# Altium PCB Velotour_2022_V1.0.PcbDoc (part 1 of 3) (continued)
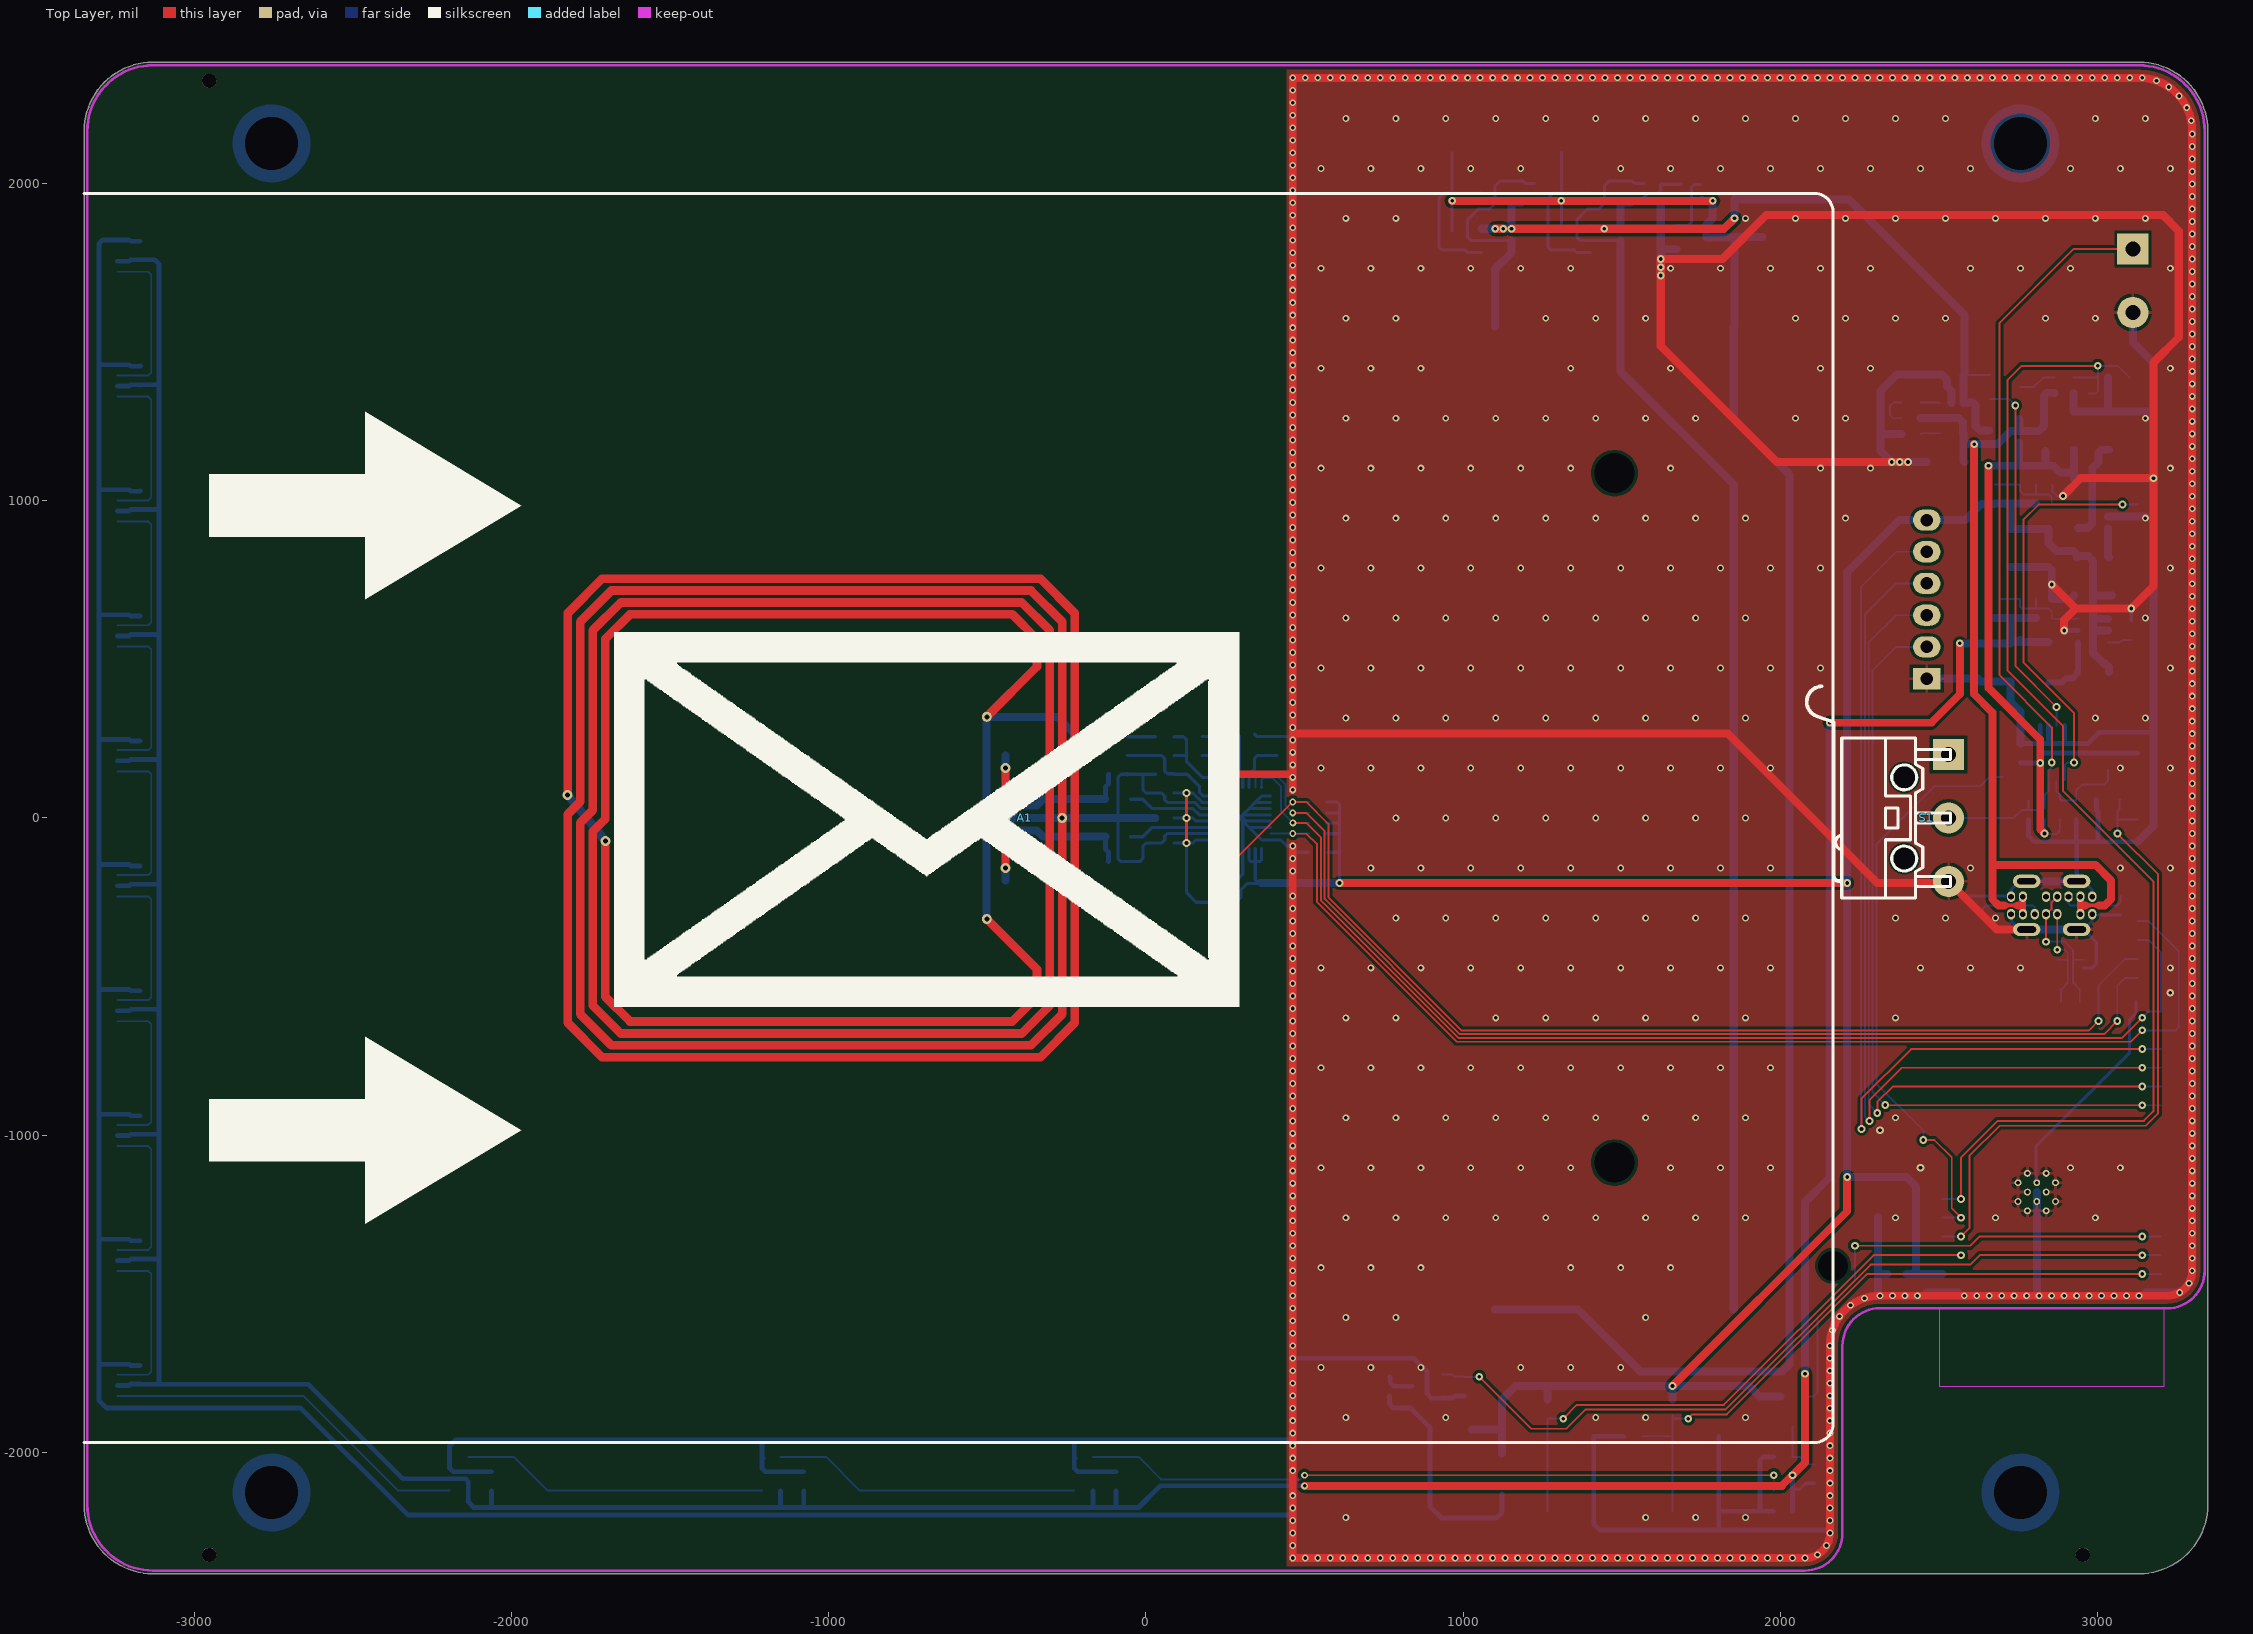
[diagram p0: Top Layer view]
## Components (designator, comment, footprint, x,y, rotation, side; value= is the part's Value field where it differs from the comment) (continued)
R14 "330k" "SMD Widerstand 0603" 964.88,1819.68 r270 bottom
R15 "330k" "SMD Widerstand 0603" 1309.06,1819.68 r270 bottom
R16 "10k" "SMD Widerstand 0603" 3031.73,-4.65 r0 bottom
R17 "330k" "SMD Widerstand 0603" 3001.97,1338.58 r180 bottom
R18 "100k" "SMD Widerstand 0603" 2893.7,1338.58 r180 bottom
R19 "10k" "SMD Widerstand Array 4-Fach 0603" 541.61,0.28 r90 bottom
R20 "5.1k" "SMD Widerstand 0603" 59.06,255.91 r180 bottom
R21 "10k" "SMD Widerstand 0603" 1659.45,-1863.35 r90 bottom
R22 "10k" "SMD Widerstand 0603" 1265.75,-1863.35 r90 bottom
R23 "820" "SMD Widerstand 0603" 59.06,196.85 r180 bottom
R24 "5.1k" "SMD Widerstand 0603" 2637.8,-275.59 r90 bottom
R25 "5.1k" "SMD Widerstand 0603" 3070.87,-275.59 r270 bottom
R26 "100" "SMD Widerstand 0603" 767.72,-1791.34 r90 bottom
R27 "10k" "SMD Widerstand 0603" 2106.3,-2066.93 r270 bottom
R28 "10k" "SMD Widerstand 0603" 1003.94,-1791.34 r90 bottom
S1 "SS075Q102F035V2A" "THT Micro Switch (SS075Q102F035V2A)" 2389.76,0 r90 top locked
S2 "SMD-Button" "SMD Button 5.2x5.2" 1732.28,-2066.93 r270 bottom
S3 "SMD-Button" "SMD Button 5.2x5.2" 1338.58,-2066.93 r270 bottom
TP1 "X-TP" "SMD Testpunkt Ø1mm" 2675,990 r0 bottom
TP2 "X-TP" "SMD Testpunkt Ø1mm" 2675,630 r0 bottom
TP3 "X-TP" "SMD Testpunkt Ø1mm" 3125,990 r0 bottom
TP4 "X-TP" "SMD Testpunkt Ø1mm" 2674.98,1050.47 r90 bottom
TP5 "X-TP" "SMD Testpunkt Ø1mm" 2675,690 r0 bottom
TP6 "X-TP" "SMD Testpunkt Ø1mm" 3125,-75 r180 bottom
TP7 "X-TP" "SMD Testpunkt Ø1mm" 1943.46,1948.82 r90 bottom
TP8 "X-TP" "SMD Testpunkt Ø1mm" 2629.89,100.24 r90 bottom
TP9 "X-TP" "SMD Testpunkt Ø1mm" 964.57,2096.46 r270 bottom
TP10 "X-TP" "SMD Testpunkt Ø1mm" 1309.06,2096.46 r270 bottom
TP11 "X-TP" "SMD Testpunkt Ø1mm" 3125,205 r180 bottom
TP12 "X-TP" "SMD Testpunkt Ø1mm" 3125,-5 r90 bottom
TP13 "X-TP" "SMD Testpunkt Ø1mm" 3100.39,1387.8 r0 bottom
TP14 "X-TP" "SMD Testpunkt Ø1mm" 1943.46,1830.71 r90 bottom
TP15 "X-TP" "SMD Testpunkt Ø1mm" 3125,-445 r270 bottom
TP16 "X-TP" "SMD Testpunkt Ø1mm" 3125,-505 r270 bottom
TP17 "X-TP" "SMD Testpunkt Ø1mm" 3125,-385 r270 bottom
TP18 "X-TP" "SMD Testpunkt Ø1mm" 3125,-325 r270 bottom
TP19 "X-TP" "SMD Testpunkt Ø1mm" -59.06,196.85 r0 bottom
U1 "TD6811" "SMD IC SOT-23-5" 2984.72,950.47 r0 bottom
U2 "MT3608L" "SMD IC SOT-23-6" 2984.72,590.47 r180 bottom
U3 "TC7W74FU" "SMD IC TSSOP-8" 2856.81,205.35 r180 bottom
U4 "TP4054" "SMD IC SOT-23-5" 2539.37,1259.84 r90 bottom
U5 "RY2200" "SMD IC SOT-23-3" 1718.74,1829.68 r0 bottom
U6 "ESP32-S2-WROOM" "SMD ESP32-S2-WROOM" 2854.33,-1181.1 r90 bottom locked
U7 "MFRC522" "SMD IC QFN-32" 295.28,0 r90 bottom
X1 "X-Klemme (2-Pol)" "THT Schraubklemme 2-Pol (WJ500V-5.08-2P)" 3110.24,1692.91 r270 bottom
X2 "18650 Dual Battery Holder" "SMD Battery-Holder (1048P)" 1476.38,0 r270 bottom locked
X3 "USB 2.0 Type-C" "THT USB-C Socket (KH-TYPE-C-L10-14P)" 2854.33,-275.59 r180 bottom locked
X4 "NP" "THT Pin-Header 1x6 (NP)" 2460.63,688.98 r90 bottom

## Footprints (in the part's own frame and the unit in brackets; to place one, negate y for a bottom-side part, rotate by r counter-clockwise, add the part's x,y. Pads: shape width x height; smd on the part's side, far side on the other; paste and mask are expansions set on the pad)
"SMD Battery-Holder (1048P)" [mm]
  rect 8x7 smd: 1(-39.35,9.55) 2(39.35,9.55) 3(39.35,-9.55) 4(-39.35,-9.55)
  round 0 hole 3.2 unplated: NC(-27.6,0) NC(27.6,0)
  round 0 hole 2.4 unplated: NC(35.85,-17.5)
  silkscreen extent -38.53,-19.89 38.53,19.89, body extent -43,-19.89 43,19.89, height 18.65
"SMD Button 5.2x5.2" [mm]
  rect 1x0.7 smd: 1(-3,1.85) 1(3,1.85) 2(-3,-1.85) 2(3,-1.85)
  silkscreen extent -2.8,-2.6 2.8,2.6, body extent -3.2,-2.55 3.2,2.55, height 1.5
"SMD Buzzer (MLT-8530)" [mm] "SMD_LED_RED"
  rect 2.3x2.3 smd: 1(-3.55,3.55) 2(-3.55,-3.55) NC(3.55,-3.55) NC(3.55,3.55)
  silkscreen extent -5,-4.25 4.25,5, body extent -4.25,-4.25 4.25,4.25, height 3
"SMD Crystal 3.2X2.5X0.8" [mm] "SMD_LED_RED"
  rect 1.4x1.2 smd: 1(1.2,0.95) 2(-1.2,-0.95) 3(-1.2,0.95) 3(1.2,-0.95)
  silkscreen extent -1.6,-1.25 2,1.7, body extent -1.65,-1.3 1.65,1.3, height 0.8
"SMD Diode SOD-123" [mm] "SM LED; 2 Flat Leads"
  rect 1x1.2 smd: A(1.62,0) K(-1.62,0)
  silkscreen extent -1.4,-0.9 1.4,0.87, body extent -1.93,-0.85 1.92,0.85, height 1.42
"SMD ESP32-S2-WROOM" [mm]
  rect 0.9x1.5 smd: 1(-8,-8.75) 2(-6.5,-8.75) 3(-5,-8.75) 4(-3.5,-8.75) 5(-2,-8.75) 6(-0.5,-8.75) 7(1,-8.75) 8(2.5,-8.75) 9(4,-8.75) 10(5.5,-8.75) 11(7,-8.75) 12(8.5,-8.75) 13(10,-8.75) 14(11.5,-8.75) 15(13,-8.75) 16(14.5,-8.75) 27(14.5,8.75) 28(13,8.75) 29(11.5,8.75) 30(10,8.75) 31(8.5,8.75) 32(7,8.75) 33(5.5,8.75) 34(4,8.75) 35(2.5,8.75) 36(1,8.75) 37(-0.5,8.75) 38(-2,8.75) 39(-3.5,8.75) 40(-5,8.75) 41(-6.5,8.75) 42(-8,8.75)
  rect 1.5x0.9 smd: 17(15.25,-6.75) 18(15.25,-5.25) 19(15.25,-3.75) 20(15.25,-2.25) 21(15.25,-0.75) 22(15.25,0.75) 23(15.25,2.25) 24(15.25,3.75) 25(15.25,5.25) 26(15.25,6.75)
  rect 1.1x1.1 smd: 43(-1.45,-2.69) 43(-1.45,-1.19) 43(-1.45,0.31) 43(0.05,-2.69) 43(0.05,-1.19) 43(0.05,0.31) 43(1.55,-2.69) 43(1.55,-1.19) 43(1.55,0.31)
  round 0.55 hole 0.3 mask+0.102: 43(-1.45,-1.94) 43(-1.45,-0.44) 43(-0.7,-2.69) 43(-0.7,-1.19) 43(-0.7,0.31) 43(0.05,-1.94) 43(0.05,-0.44) 43(0.8,-2.69) 43(0.8,-1.19) 43(0.8,0.31) 43(1.55,-1.94) 43(1.55,-0.44)
  Keep-Out Layer region: -9.2,9 -9.2,-9 -15.5,-9 -15.5,9
  Keep-Out Layer region: -9.2,9 -9.2,-9 -15.5,-9 -15.5,9
  Keep-Out Layer region: -9.2,9 -9.2,-9 -15.5,-9 -15.5,9
  silkscreen extent -15.5,-10.28 15.5,9, body extent -15.45,-9 15.55,9, height 3.3
"SMD IC QFN-32" [mm] "QFN, 32-Leads, Body 5x5mm, Pitch 0.5mm, IPC Medium Density"
  oval 0.75x0.25 smd: 1(-2.45,1.75) 2(-2.45,1.25) 3(-2.45,0.75) 4(-2.45,0.25) 5(-2.45,-0.25) 6(-2.45,-0.75) 7(-2.45,-1.25) 8(-2.45,-1.75) 17(2.45,-1.75) 18(2.45,-1.25) 19(2.45,-0.75) 20(2.45,-0.25) 21(2.45,0.25) 22(2.45,0.75) 23(2.45,1.25) 24(2.45,1.75)
  oval 0.25x0.75 smd: 9(-1.75,-2.45) 10(-1.25,-2.45) 11(-0.75,-2.45) 12(-0.25,-2.45) 13(0.25,-2.45) 14(0.75,-2.45) 15(1.25,-2.45) 16(1.75,-2.45) 25(1.75,2.45) 26(1.25,2.45) 27(0.75,2.45) 28(0.25,2.45) 29(-0.25,2.45) 30(-0.75,2.45) 31(-1.25,2.45) 32(-1.75,2.45)
  rect 3.6x3.6 smd: PAD(0,0)
  silkscreen extent -3.12,-2.6 2.6,3.13, body extent -2.51,-2.51 2.51,2.51, height 0.8
"SMD IC SOT-23-3" [mm]
  rect 1x0.7 smd: 1(-1.2,0.95) 2(-1.2,-0.95) 3(1.2,0)
  silkscreen extent -0.8,-1.5 0.8,1.5, body extent -1.3,-1.5 1.2,1.5, height 1.1
"SMD IC SOT-23-5" [mm] "SOT-223/SC-73; 4 Leads; Body 6.7 x 7.3 mm, inc. leads (LxW max)"
  rect 1.2x0.7 smd: 1(1.2,-0.95) 2(1.2,0) 3(1.2,0.95) 4(-1.2,0.95) 5(-1.2,-0.95)
  silkscreen extent -0.8,-1.9 1.2,1.4, body extent -1.3,-1.5 1.2,1.5, height 1.1
"SMD IC SOT-23-6" [mm] "SOT-223/SC-73; 4 Leads; Body 6.7 x 7.3 mm, inc. leads (LxW max)"
  rect 1.2x0.7 smd: 1(1.2,-0.95) 2(1.2,0) 3(1.2,0.95) 4(-1.2,0.95) 5(-1.2,0) 6(-1.2,-0.95)
  silkscreen extent -0.8,-1.9 1.2,1.4, body extent -1.4,-1.45 1.4,1.45, height 1.45
"SMD IC SOT-363 (SC-70-6)" [mm]
  rect 0.8x0.45 smd: 1(1.05,-0.65) 2(1.05,0) 3(1.05,0.65) 4(-1.05,0.65) 5(-1.05,0) 6(-1.05,-0.65)
  silkscreen extent -0.63,-1.4 0.8,1.05, body extent -1.05,-1 1.05,1, height 0.92
"SMD IC TSSOP-8" [mm] "Shrink Small Outline; 16 Leads; Body Width 4.4 mm; Pitch 0.65 mm"
  oval 0.4x1.26 smd: 1(0.975,2.2) 2(0.325,2.2) 3(-0.325,2.2) 4(-0.975,2.2) 5(-0.975,-2.2) 6(-0.325,-2.2) 7(0.325,-2.2) 8(0.975,-2.2)
  silkscreen extent -1.55,-1.55 2.02,2.22, body extent -1.55,-2.5 1.55,2.5, height 1.07
"SMD Inductor 3.2x2.5x1.7" [mm]
  rect 1.25x2 smd: 1(-1.275,0) 2(1.275,0)
  silkscreen extent -1.6,-1.25 1.6,1.25, body extent -1.6,-1.25 1.6,1.25, height 1.55
"SMD Inductor 0805" [mil]
  rect 35x65 smd: 1(-40,0) 2(40,0)
  silkscreen extent -40,-30 40,30, body extent -39,-24 39,24, height 37
"SMD Keramikkondensator 0603" [mil]
  rect 25x35 smd: 1(-30,0) 2(30,0)
  silkscreen extent -30,-15 30,15, body extent -31,-16 31,16, height 32
"SMD Keramikkondensator 1206" [mil]
  rect 45x70 smd: 1(-60,0) 2(60,0)
  silkscreen extent -60,-30 60,30, body extent -63,-31 63,31, height 39
"SMD LED 0603" [mm] "SMD_LED_RED"
  rect 0.8x0.8 smd: A(-0.75,0) K(0.75,0)
  silkscreen extent -0.8,-0.4 0.8,0.4, body extent -0.81,-0.37 0.84,0.36, height 0.68
"SMD LED WS2812B-3528" [mm] "SMD_LED_RED"
  rect 0.9x0.75 smd: 1(1.35,-0.75) 2(1.35,0.75) 3(-1.35,0.75) 4(-1.35,-0.75)
  silkscreen extent -1.75,-1.5 1.8,1.4, body extent -1.75,-1.4 1.75,1.4, height 1.9
"SMD LED WS2812B-4020" [mm] "SMD_LED_RED"
  rect 0.42x1.3 smd: 1(1.275,-0.65) 2(0.425,-0.65) 3(-0.425,-0.65) 4(-1.275,-0.65)
  silkscreen extent -2,-1.13 2.37,0.87, body extent -2,-0.87 2,0.87, height 2
"SMD LOOP-ANTENNA 13.56MHZ" [mm]
  round 0.8 hole 0.4 mask+0.1: 1(8.095,13.255) 2(-8.095,13.255)
  round 0.8 hole 0.4 mask+0.102: 3(0,19.293)
  Top Layer lines w0.7: -1.85,-20.3 -16.4,-20.3 -19.15,-17.55 -19.15,17.55 -16.4,20.3 16.4,20.3 19.15,17.55 19.15,-17.55 16.4,-20.3 -0.297,-20.3 -1.304,-19.293 -15.707,-19.293 -18.2,-16.8 -18.2,16.8 -15.707,19.293 0,19.293 15.707,19.293 18.2,16.8 18.2,-16.8 15.707,-19.293 0.396,-19.293 -0.611,-18.286 -15.014,-18.286 -17.25,-16.05 -17.25,16.05 -15.014,18.286 15.014,18.286 17.25,16.05 17.25,-16.05 15.014,-18.286 1.089,-18.286 0.082,-17.279 -14.321,-17.279 -16.3,-15.3 -16.3,15.3 -14.321,17.279 -12.119,17.279 -8.095,13.255 ; 1.85,-17.279 14.321,-17.279 16.3,-15.3 16.3,15.3 14.321,17.279 12.119,17.279 8.095,13.255
  Bottom Layer lines w0.7: -1.85,-20.3 1.85,-17.279
"SMD MOSFET SOT-23" [mm]
  rect 1x0.7 smd: D(1.2,0) G(-1.2,0.95) S(-1.2,-0.95)
  silkscreen extent -0.8,-1.5 0.8,1.5, body extent -1.3,-1.5 1.2,1.5, height 1.1
"SMD SOLDER-NUT (M3 3MM)" [mm]
  round 0 hole 4.22: 1(0,0)
  Top Layer circle w1.02: c0,0 r2.61
  body extent -2.61,-2.61 2.61,2.61, height 3
"SMD Tantalkondensator 1210 +" [mil]
  rect 45x110 smd: M(60,0) P(-60,0)
  silkscreen extent -99,-50 60,72, body extent -73,-58 73,58, height 80
"SMD Testpunkt Ø1mm" [mm]
  round 1 smd: 1(0,0)
"SMD Widerstand 0603" [mil]
  rect 25x35 smd: 1(-30,0) 2(30,0)
  silkscreen extent -30,-15 30,15, body extent -31,-16 31,16, height 18
"SMD Widerstand Array 4-Fach 0603" [mm]
  rect 0.65x0.8 smd: 1(-1.275,-0.7) 4(1.275,-0.7) 5(1.275,0.7) 8(-1.275,0.7)
  rect 0.5x0.8 smd: 2(-0.4,-0.7) 3(0.4,-0.7) 6(0.4,0.7) 7(-0.4,0.7)
  silkscreen extent -1.6,-0.8 1.6,0.8, body extent -1.6,-0.8 1.6,0.8, height 0.51
"THT Micro Switch (SS075Q102F035V2A)" [mm]
  rect 2.5x2.5 hole 1.2: 1(5.08,-3.55)
  round 2.5 hole 1.2: 2(-5.08,-3.55) 3(0,-3.55)
  round 0 hole 2 unplated: NC(-3.25,0) NC(3.25,0)
  silkscreen extent -6.4,-3.7 10.53,7.81, body extent -6.4,-3.75 10.7,7.97, height 5.8
"THT Pin-Header 1x6 (NP)" [mm] "Capacitor, Electrolytic, Radial; Body 5 x 5 mm (Dia.xH typ); Pin Spacing 2 mm (typ)"
  rect 1.7x2.2 hole 1: 1(-6.35,0)
  oval 1.7x2.2 hole 1: 2(-3.81,0) 3(-1.27,0) 4(1.27,0) 5(3.81,0) 6(6.35,0)
  silkscreen extent -7.62,-1.27 7.62,1.27
"THT Schraubklemme 2-Pol (WJ500V-5.08-2P)" [mm]
  rect 2.5x2.5 hole 1.2: 1(-2.54,0)
  round 2.5 hole 1.2: 2(2.54,0)
  silkscreen extent -5.05,-5 5.7,5.3, body extent -5.08,-5 5.68,5.3, height 14.24
"THT USB-C Socket (KH-TYPE-C-L10-14P)" [mm]
  oval 0.65x0.85 hole 0.45: A1(-3.25,0.7) A4(-2.3,0.7) A5(-1.35,0.7) A6(-0.45,0.7) A7(0.45,0.7) A9(2.3,0.7) A12(3.25,0.7) B1(3.25,-0.7) B4(2.3,-0.7) B5(1.35,-0.7) B6(0.45,-0.7) B7(-0.45,-0.7) B9(-2.3,-0.7) B12(-3.25,-0.7)
  oval 2.2x1.05 hole 0.5 slot 1.5 at 0 deg: G1(-2,1.93) G2(2,1.93) G3(-2,-1.93) G4(2,-1.93)
  silkscreen extent -4.5,-2.1 4.5,2.1, body extent -4.47,-2.08 4.47,2.08, height 10

## Part data
A1: library part A-Loop-Antenna, "PCB Loop-Antenna", Component Description="PCB Loop-Antenna", Component Value=13.56MHz, Unit Price=0.00
C1 C2: library part C-CAPACITOR, "CAP-MK", Component Value="27pF 50V", JLC-Parts=C1656, Component Description="Multilayer Ceramic Capacitors", Digikey=399-C0603C270J5GAC7867CT-ND, Farnell=1414627, Mouser=80-C0603C270J5G, Unit Price=0.01
C3 C5 C8: library part C-CAPACITOR, "CAP-MK", Component Value="10µF 50V", JLC-Parts=C13585, Component Description="Multilayer Ceramic Capacitors", Digikey=445-7886-1-ND, Farnell=2211092, Mouser=810-CGA5L3X5R1H106K, Unit Price=0.27
C4 C6 C18 C19: library part C-ELCAP, "CAP-Elko", Component Value="100µF 6.3V", JLC-Parts=C16133, Component Description="Tantalum Capacitor", Digikey=478-1677-1-ND, Farnell=1135048, Mouser=581-TAJB107K006R, Unit Price=0.08
C7 C14 C16 C21 C32 C33 C34 C37 C38 C39 C40 C41 C42 C43 C44 C45 C46 C47 C48 C49 C50 C51 C52 C53: library part "E6 - 100nF", "SMD Ceramic Capacitor E6", Component Value="100nF 50V", JLC-Parts=C14663, Component Description="Multilayer Ceramic Capacitors MLCC", ComponentLink1Description=Datasheet, ComponentLink1URL=https://datasheet.lcsc.com/lcsc/1809301912_YAGEO-CC0603KRX7R9BB104_C14663.pdf, Digikey=445-6899-1-ND, Farnell=2210822, Mouser=810-CGA2B3X7R1H104K, Unit Price=0.01
C9 C10 C12 C17 C20 C23: library part "E6 - 10uF", "SMD Ceramic Capacitor E6", Component Value="10µF 10V", JLC-Parts=C19702, Component Description="Multilayer Ceramic Capacitors MLCC", ComponentLink1Description=Datasheet, ComponentLink1URL=https://datasheet.lcsc.com/lcsc/1810191219_Samsung-Electro-Mechanics-CL10A106KP8NNNC_C19702.pdf, Digikey=587-3258-1-ND, Farnell=2113070, Mouser=963-LMK107BBJ106MALT, Unit Price=0.01
C11 C22: library part C-CAPACITOR, "CAP-MK", Component Value="1µF 50V", JLC-Parts=C15849, Component Description="Multilayer Ceramic Capacitors", Digikey=1276-1860-1-ND, Farnell=3013383, Mouser=187-CL10A105KB8NNNC, Unit Price=0.01
C13 C15: library part C-CAPACITOR, "CAP-MK", Component Value="10nF 50V", JLC-Parts=C57112, Component Description="Multilayer Ceramic Capacitors", Digikey=445-5662-1-ND, Farnell=2346966, Mouser=77-VJ0603V103ZXAPBC, Unit Price=0.01
C24 C31 C35 C36: library part C-CAPACITOR, "CAP-MK", Component Value="15pF 50V", JLC-Parts=C1644, Component Description="Multilayer Ceramic Capacitors", Digikey=399-C0603C150J5GAC7867CT-ND, Farnell=1414614, Mouser=80-C0603C150J5G, Unit Price=0.01
C25 C28: library part C-CAPACITOR, "CAP-MK", Component Value="47pF 50V", JLC-Parts=C1671, Component Description="Multilayer Ceramic Capacitors", Digikey=399-C0603C470J5GAC7867CT-ND, Farnell=1414639, Mouser=80-C0603C470J5G, Unit Price=0.01
C26 C29: library part C-CAPACITOR, "CAP-MK", Component Value="180pF 50V", JLC-Parts=C85299, Component Description="Multilayer Ceramic Capacitors", Digikey=399-C0603C181J5GAC7867CT-ND, Farnell=1414621, Mouser=80-C0603C181J5G, Unit Price=0.01
C27 C30: library part C-CAPACITOR, "CAP-MK", Component Value="10pF 50V", JLC-Parts=C1634, Component Description="Multilayer Ceramic Capacitors", Digikey=399-C0603C100J5GAC7867CT-ND, Farnell=1414601, Mouser=80-C0603C100J5G, Unit Price=0.01
D1 D2 D3 D4 D5 D7: library part R-DIODE:SCHKY, "S-DIODE", JLC-Parts=C8598, Component Description="Low Voltage Schottky-Diode", Component Value=B5819W, Digikey=B5819W-TPMSCT-ND, Farnell=2306459, Mouser=833-B5819W-TP, Unit Price=0.03
D6: library part PD4E1U06DCKR, "Unidirectional 3A (8/20us) 15V (Typ) 6.5V 5.5V (Max) SOT-363 ESD Protection Devices ROHS", JLC-Parts=C194628, Component Description="ESD Suppressor", Component Value=PD4E1U06, ComponentLink1Description=Datasheet, ComponentLink1URL=https://datasheet.lcsc.com/lcsc/1810172210_Texas-Instruments-TPD4E1U06DCKR_C194628.pdf, Digikey=296-39347-1-ND, Farnell=3116516, Mouser=595-TPD4E1U06DCKR, Unit Price=0.12
K1 K2 K4: library part K-FET:PIGE, "MOSFET P-Channel", Component Value=LBSS84LT1G, JLC-Parts=C8492, Component Description="MOSFET P-Channel", ComponentLink1Description=Datasheet, ComponentLink1URL=https://datasheet.lcsc.com/lcsc/1811031711_LRC-LBSS84LT1G_C8492.pdf, Digikey=1801-BSS84CT-ND, Farnell=1713836, Mouser=771-BSS84-T/R, Unit Price=0.03
K3 K5 K6: library part K-FET:PIGE, "MOSFET P-Channel", JLC-Parts=C15127, Component Description="MOSFET P-Channel", Component Value=AO3401A, ComponentLink1Description=Datasheet, ComponentLink1URL=https://datasheet.lcsc.com/lcsc/1810171817_Alpha---Omega-Semicon-AO3401A_C15127.pdf, Digikey=785-1001-1-ND, Unit Price=0.14
K7 K8: library part K-FET:NIGE, "MOSFET N-Channel", JLC-Parts=C8545, Component Description="MOSFET N-Channel", Component Value=2N7002, ComponentLink1Description=Datasheet, ComponentLink1URL=https://datasheet.lcsc.com/lcsc/1810151612_Jiangsu-Changjing-Electronics-Technology-Co---Ltd--2N7002_C8545.pdf, Digikey=2N7002NCT-ND, Farnell=1713823, Mouser=512-2N7002, Unit Price=0.02
K9: library part K-FET:NIGE, "MOSFET N-Channel", JLC-Parts=C20917, Component Description="MOSFET N-Channel", Component Value=AO3400A, ComponentLink1Description=Datasheet, ComponentLink1URL=http://www.aosmd.com/pdfs/datasheet/AO3400A.pdf, Digikey=785-1000-1-ND, Unit Price=0.20
L1 L2: library part L-COIL, "Shielded Power Inductor", Component Value="LQH32PN4R7NN0L (4.7µH, 1.0A)", JLC-Parts=C98021, Component Description="Molded Power Inductor", Digikey=490-5338-1-ND, Farnell=2470296, Mouser=81-LQH32PN4R7NN0L, Unit Price=0.12
L3 L4: library part L-COIL, "Multilayer Chip Inductor", JLC-Parts=C1043, Component Description="Multilayer Chip Inductor", Component Value=2.2µH, Digikey=490-16592-1-ND, Farnell=2871431, Mouser=81-DFE201210U-2R2MP2, Unit Price=0.01
M1 M2 M3 M4: library part M-Spacer_M3_3mm, "Solderable Standoff Nut", Component Value="M3 3mm", JLC-Parts=C2915308, Component Description="Solderable Standoff Nut", ComponentLink1Description=Datasheet, ComponentLink1URL=https://datasheet.lcsc.com/lcsc/2112061830_Sinhoo-SMTSO3030CTJ_C2915308.pdf, Mouser=153-SMTSO-M3-3ET, Unit Price=0.05
P1: library part P-LED, "LED (als Lampe E / alt H)", Component Value="Red (5mA, 2.0V)", JLC-Parts=C2286, Component Description="Low Power LED", ComponentLink1Description=Datasheet, ComponentLink1URL=https://datasheet.lcsc.com/szlcsc/Hubei-KENTO-Elec-KT-0603R_C2286.pdf, Digikey=350-2029-1-ND, Farnell=1465988, Mouser=645-598-8010-107F, Unit Price=0.34
P2 P3 P4 P5: library part P-WS2812B-3528, "Smart RGB-LED", Component Value=XL-3528RGBW-WS2812B, JLC-Parts=C2890364, aliExpress=1005003999865721, Component Description="Smart RGB-LED", ComponentLink1Description=Datasheet, ComponentLink1URL=https://datasheet.lcsc.com/lcsc/2108271830_XINGLIGHT-XL-3528RGBW-WS2812B_C2890364.pdf, Unit Price=0.06
P6 P7 P8 P9 P10 P11 P12 P13 P14 P15: library part P-WS2812B-4020, "Smart RGB-LED", Component Value=WS2812B-4020, JLC-Parts=C965557, aliExpress=33031289356, Component Description="Smart RGB-LED", ComponentLink1Description=Datasheet, ComponentLink1URL=https://datasheet.lcsc.com/lcsc/2012110135_Worldsemi-WS2812B-4020_C965557.pdf, Unit Price=0.12
Q1: library part B-QUARZ-CAP, Component Value=27.12Mhz, JLC-Parts=C29975, Component Description=Crystal, ComponentLink1Description=Datasheet, ComponentLink1URL=https://datasheet.lcsc.com/lcsc/2103291134_Yangxing-Tech-X32252712MMB4SI_C29975.pdf, Digikey=50-ECS-271.2-18-33-JGN-TR3CT-ND, Farnell=3649643, Mouser=520-271.2-1833JGNTR3, Unit Price=0.08
Q2: library part Q-Buzzer, "Electromagnetic Buzzer", JLC-Parts=C94599, Component Description="Electromagnetic Buzzer", Component Value=MLT-8530, ComponentLink1Description=Datasheet, ComponentLink1URL=https://datasheet.lcsc.com/lcsc/1811151451_Jiangsu-Huaneng-Elec-MLT-8530_C94599.pdf, Digikey=458-1052-ND, Farnell=1801084, Mouser=539-AST200Q, Unit Price=0.27
R1 R2 R14 R15 R17: library part R-RESISTOR, "RES (E=Heizwiderstand B=Messwandler)", Component Value="330k (75V, 100mW, 1%)", JLC-Parts=C23137, Component Description="Thick Film Chip Resistor", Digikey=P330KHCT-ND, Farnell=2303270, Mouser=667-ERJ-3EKF3303V, Unit Price=0.01
R3 R9 R10 R11 R18: library part R-RESISTOR, "RES (E=Heizwiderstand B=Messwandler)", Component Value="100k (75V, 100mW, 1%)", JLC-Parts=C25803, Component Description="Thick Film Chip Resistor", Digikey=P100KHCT-ND, Farnell=2303232, Mouser=667-ERJ-3EKF1003V, Unit Price=0.01
R4: library part R-RESISTOR, "RES (E=Heizwiderstand B=Messwandler)", Component Value="110k (75V, 100mW, 1%)", JLC-Parts=C25805, Component Description="Dickschicht Chipwiderstand", Digikey=P110KHCT-ND, Farnell=2059495, Mouser=667-ERJ-3EKF1103V, Unit Price=0.01
R5: library part R-RESISTOR, "RES (E=Heizwiderstand B=Messwandler)", Component Value="22k (75V, 100mW, 1%)", JLC-Parts=C31850, Component Description="Thick Film Chip Resistor", Digikey=P22.0KHCT-ND, Farnell=2303201, Mouser=667-ERJ-3EKF2202V, Unit Price=0.01
R6: library part R-RESISTOR, "RES (E=Heizwiderstand B=Messwandler)", Component Value="68k (75V, 100mW, 1%)", JLC-Parts=C23231, Component Description="Dickschicht Chipwiderstand", Digikey=311-68.0KHRTR-ND, Farnell=9238700, Mouser=603-RC0603FR-0768KL, Unit Price=0.06
R7: library part R-RESISTOR, "RES (E=Heizwiderstand B=Messwandler)", Component Value="15k (75V, 100mW, 1%)", JLC-Parts=C22809, Component Description="Dickschicht Chipwiderstand", Digikey=P15.0KHCT-ND, Farnell=2211092, Mouser=667-ERJ-3EKF1502V, Unit Price=0.01
R8 R12: library part R-RESISTOR, "RES (E=Heizwiderstand B=Messwandler)", Component Value="1k (75V, 100mW, 1%)", JLC-Parts=C21190, Component Description="Dickschicht Chipwiderstand", Digikey=P1.00KHCT-ND, Farnell=2303145, Mouser=667-ERJ-3EKF1001V, Unit Price=0.01
R13: library part R-RESISTOR, "RES (E=Heizwiderstand B=Messwandler)", Component Value="1.2k (75V, 100mW, 1%)", JLC-Parts=C22765, Component Description="Dickschicht Chipwiderstand", Digikey=P1.20KHCT-ND, Farnell=2303150, Mouser=667-ERJ-3EKF1201V, Unit Price=0.01
R16 R21 R22 R27 R28: library part R-RESISTOR, "RES (E=Heizwiderstand B=Messwandler)", Component Value="10k (75V, 100mW, 1%)", JLC-Parts=C25804, Component Description="Thick Film Chip Resistor", Digikey=P10.0KHCT-ND, Farnell=2303192, Mouser=667-ERJ-3EKF1002V, Unit Price=0.01
R19: library part "R-Array Single Quad E24 - 10k", "Isolated Resistor Array", Component Value="10k (4x, 50V, 62.5mW, 5%)", JLC-Parts=C29718, Component Description="Isolated Resistor Array", ComponentLink1Description=Datasheet, ComponentLink1URL=https://datasheet.lcsc.com/lcsc/1810191515_UNI-ROYAL-Uniroyal-Elec-4D03WGJ0103T5E_C29718.pdf, Digikey=Y4103CT-ND, Farnell=2060167, Mouser=667-EXB-V8V103JV, Unit Price=0.01
R20 R24 R25: library part R-RESISTOR, "RES (E=Heizwiderstand B=Messwandler)", Component Value="5.1k (75V, 100mW, 1%)", JLC-Parts=C23186, Component Description="Thick Film Chip Resistor", Digikey=P5.10KHCT-ND, Farnell=2059378, Mouser=667-ERJ-3EKF5101V, Unit Price=0.01
R23: library part R-RESISTOR, "SMD-Widerstand 1/4W", Component Value="820 (75V, 100mW, 1%)", JLC-Parts=C23253, Component Description="Dickschicht Chipwiderstand", Digikey=P820HCT-ND, Farnell=2303136, Mouser=667-ERJ-3EKF8200V, Unit Price=0.01
R26: library part R-RESISTOR, "SMD-Widerstand 1/4W", Component Value="100 (75V, 100mW, 1%)", JLC-Parts=C22775, Component Description="Thick Film Chip Resistor", Digikey=P100HCT-ND, Farnell=2303059, Mouser=667-ERJ-3EKF1000X, Unit Price=0.01
S1: library part S-PCM12SMTR, "Micro Detector Switch", Component Value="SS075Q102F035V2A (Right Angled)", aliExpress=32939882024, Component Description="Micro Detector Switch", ComponentLink1Description=Datasheet, Digikey=EG4929-ND, Farnell=2844089, Mouser=612-SS075Q102F035V2A, Unit Price=0.18
S2 S3: library part "Button 3mmx2.5mm", "Button SPST", Component Value=TS-1187A-B-A-B, JLC-Parts=C318884, Component Description="Tactile Switch", ComponentLink1Description=Datasheet, ComponentLink1URL=https://datasheet.lcsc.com/lcsc/2002271431_XKB-Connectivity-TS-1187A-B-A-B_C318884.pdf, Digikey=CKN12221-1-ND, Farnell=3780596, Mouser=611-PTS526SK15SMR2L, Unit Price=0.02
TP1 TP2 TP3 TP4 TP5 TP6 TP7 TP8 TP9 TP10 TP11 TP12 TP13 TP14 TP15 TP16 TP17 TP18 TP19: "Testpunkt", Component Value="Ø 0.8mm", Component Description=Testpunkt, Unit Price=0.00
U1: library part U-TD6811, "1.5MHz 1.2A Synchronous Step-Down Converter", JLC-Parts=C189486, Component Description="1.5MHz 1.2A Synchronous Step-Down Converter", Component Value=TD6811, ComponentLink1Description=Datasheet, ComponentLink1URL=https://datasheet.lcsc.com/lcsc/1811061612_Techcode-Semicon-TD6811_C189486.pdf, Unit Price=0.14
U2: library part U-MT3608L, "1.2MHz 2.5A Current Mode Step-Up Converter", JLC-Parts=C2932326, Component Description="1.2MHz 2.5A Current Mode Step-Up Converter", Component Value=MT3608L, ComponentLink1Description=Datasheet, ComponentLink1URL=https://datasheet.lcsc.com/lcsc/2201121530_XI-AN-Aerosemi-Tech-MT3608L_C2932326.pdf, Unit Price=0.09
U3: library part U-TC7W74FU, "Low-Power D-Flip-Flop with Preset & Clear", JLC-Parts=C128631, Component Description="Low-Power D-Flip-Flop with Preset & Clear", Component Value=TC7W74FU, ComponentLink1Description=Datasheet, ComponentLink1URL=https://datasheet.lcsc.com/lcsc/1811081942_TOSHIBA-TC7W74FU-LF_C128631.pdf, Digikey=TC7W74FULFCT-ND, Farnell=3872351, Unit Price=0.52
U4: library part U-TP4054, "Standalone Linear Li-Ion Battery Charger", JLC-Parts=C32574, Component Description="Standalone Linear Li-Ion Battery Charger", Component Value=TP4054, ComponentLink1Description=Datasheet, ComponentLink1URL=http://images.100y.com.tw/pdf_file/38-TP-TP4054x.pdf, Unit Price=0.14
U5: library part U-RY2200, "One Cell Li-ion and Li-poly Battery Protection IC", JLC-Parts=C2888102, Component Description="One Cell Li-ion and Li-poly Battery Protection IC", Component Value=RY2200, ComponentLink1Description=Datasheet, ComponentLink1URL=https://datasheet.lcsc.com/lcsc/2108251630_RYCHIP-Semiconductor-Inc--RY2200_C2888102.pdf, Unit Price=0.05
U6: "WiFi 802.11b/g/n Transceiver Module 2.4GHz Antenna, I-PEX Surface Mount", JLC-Parts=C967026, Component Description="Xtensa single-core 32-bit LX7 MCU", Component Value=ESP32-S2-WROOM, ComponentLink1Description=Datasheet, ComponentLink1URL=https://www.espressif.com/sites/default/files/documentation/esp32-s2-wroom_esp32-s2-wroom-i_datasheet_en.pdf, Digikey=1965-ESP32-S2-WROOMTR-ND, Mouser=356-ESP32S2WRMI320UH, Unit Price=2.54
U7: library part U-MFRC522, "Standard performance MIFARE and NTAG frontend", JLC-Parts=C2760772, Component Description="Standard performance MIFARE and NTAG frontend", Component Value=MFRC522, ComponentLink1Description=Datasheet, ComponentLink1URL=https://media.digikey.com/pdf/Data%20Sheets/NXP%20PDFs/MFRC522.pdf, Digikey=568-8603-ND, Farnell=1902838, Mouser=771-MFRC52202HN1151, Unit Price=0.88
X1: Component Value="WJ500V-5.08-2P (2-Pol, 250V, 8A, 5.08mm)", JLC-Parts=C8465, Component Description=Schraubklemme, ComponentLink1Description=Datasheet, ComponentLink1URL=https://datasheet.lcsc.com/lcsc/1912251636_Ningbo-Kangnex-Elec-WJ500V-5-08-2P_C8465.pdf, Unit Price=0.08
X2: library part X-18650_Dual-Holder, Component Value=1049P, aliExpress=4001152338150, Component Description="18650 Dual Battery Holder", ComponentLink1Description=Datasheet, ComponentLink1URL=https://www.keyelco.com/userAssets/file/M65p27.pdf, Digikey=36-1049P-ND, Farnell=2674339, Mouser=534-1049P, Unit Price=0.73
X3: library part X-USB-Buchse_Vertical, "Type-C", Component Value=KH-TYPE-C-L10-14P, JLC-Parts=C2761226, aliExpress=1005003021508194, Component Description="USB Connector Type-C Vertical", ComponentLink1Description=Datasheet, ComponentLink1URL=https://datasheet.lcsc.com/lcsc/2103161911_Shenzhen-Kinghelm-Elec-KH-TYPE-C-L10-14P_C2761226.pdf, Unit Price=0.27
X4: library part "X-Stiftleiste (6-Fach)", Component Description="Pin Header"

## Free pads (board coordinates)
  round 45.35 hole 45.35 unplated paste+45.35 mask+5.83: NC(-2952.76,-2322.83) NC(-2952.76,2322.83) NC(2952.76,-2322.83)

## Via types
v1: diameter 21.65, hole 11.81, Top Layer to Bottom Layer, tented both sides, 655 vias
v2: diameter 24.41, hole 11.81, Top Layer to Bottom Layer, tented both sides, 73 vias
v3: diameter 31.5, hole 15.75, Top Layer to Bottom Layer, tented both sides, 5 vias

## Nets (pads, with @x,y where several pads share a name; then routed paths per layer and width w, separated by ;. In a path a pad name is that pad's centre, name@x,y a point inside that pad or via, vN(x,y) a via of type N, cw(c..) or ccw(c..) an arc to the next point about the centre after c; other vN are vias at no path point)
3V3: C1.1 C3.2 C4.P C5.2 C19.P C20.2 C21.2 C22.2 C23.2 C37.2 C38.2 C39.2 D7.K K8.G L1.1 L2.2 Q2.1 R3.2 R19.5 R19.6 R19.7 R19.8 R21.2 R22.2 TP1.1 U2.4 U2.5 U6.2 U7.1 U7.2 U7.3 U7.9 U7.12 U7.15 X4.6 | length 9783.1
  Top Layer w9.84: v2@127.68,-78.74 v2(127.68,-0.28) v2@127.68,78.19
  Top Layer w25: v2(610,-205) v2(2210,-205) ; v2(1659.45,-1790) 2210,-1239.45 v2(2210,-1131.89)
  Bottom Layer w9.84: C39.2@87.72,80.08 C39.2@89.06,78.74 ; C22.2@89.06,-78.74 v2(127.95,-78.74) ; C37.2@89.06,0 147.64,0 157.48,-9.84 U7.12@198.82,-9.84 ; C39.2@89.33,78.46 v2(127.68,78.46) ; v2@127.68,78.74 147.64,78.74 177.17,49.21 U7.15@198.82,49.21 ; U7.9@198.82,-68.9 157.48,-68.9 147.64,-78.74 v2(127.95,-78.74) ; U7.3@324.8,-96.46 324.8,-132.03 330.57,-137.8 344.49,-137.8 ; U7.2@344.49,-96.46 344.49,-137.8 ; C23.2@355.55,-196.57 C23.2@363.98,-205 ; U7.1@364.17,-96.46 364.17,-132.03 358.41,-137.8 344.49,-137.8 ; R19.8@569.17,-49.92 609.96,-49.92 ; R19.7@569.17,-15.47 609.96,-15.47 610.24,-15.75 ; R19.6@569.17,16.02 609.96,16.02 610.24,15.75 ; R19.5@569.17,50.47 603.07,50.47 610.24,43.31 610.24,15.75 ; C38.2@571.62,-107.99 607.99,-107.99 610.24,-110.24 ; v2@610.24,-196.57 610.24,-110.24 ; v2(127.95,-78.74) 127.95,-236.22 157.48,-265.75 283.46,-265.75 299.21,-250 299.21,-226.38 319.17,-206.42 C23.2@355.55,-206.42 344.49,-195.35 344.49,-137.8 ; 610.24,-110.24 610.24,-15.75 ; 610.24,-15.75 610.24,15.75
  Bottom Layer w25: C23.2@363.98,-205 v2(610,-205) ; Q2.1@1025.59,-1927.17 1122.05,-1927.17 ; D7.K@1122.05,-2003.15 1122.05,-1927.17 ; R22.2@1265.75,-1833.35 1265.75,-1790.12 1265.63,-1790 ; 1618.44,-1790 1265.63,-1790 ; 1620.94,-1790 v2(1659.45,-1790) ; R21.2@1659.45,-1833.35 v2(1659.45,-1790) ; K8.G@2000,-1822.83 1933.78,-1822.83 1900.94,-1790 v2(1659.45,-1790) ; 2391.73,-1131.89 v2(2210,-1131.89) v2(2210,-205) 2210,775 2373.98,938.98 X4.6@2460.63,938.98 2582.68,938.98 2633.7,990 TP1.1@2675,990 2675.47,990.47 2722.22,990.47 ; C21.2@2396.73,-1437.01 2426.73,-1437.01 C20.2@2426.73,-1368.58 ; 2396.73,-1131.89 2427.2,-1162.36 C19.P@2427.2,-1259.84 C20.2@2427.2,-1368.11 ; 2421.73,-1437.01 U6.2@2509.84,-1437.01 ; R3.2@2749.72,990.47 2722.22,990.47 ; R3.2@2749.72,990.47 R3.2@2754.72,990.47 2799.72,990.47 C1.1@2804.73,990.47 ; U2.4@3030.85,626.75 U2.4@3031.97,627.87 2987.13,627.87 2985,630 ; U2.5@3031.97,590.47 2989.53,590.47 2985,595 ; L1.1@3034.92,460.47 3034.92,475.24 3022.81,487.34 3017.66,487.34 2985,520 2985,595 ; C5.2@3044.72,700.47 2987.03,700.47 2985,702.5 ; 1122.05,-1927.17 1122.05,-1832.95 1165,-1790 1265.63,-1790 ; 2722.22,990.47 2724.72,987.97 C4.P@2724.72,910.47 C3.2@2844.72,910.47 2844.49,910.24 2844.49,866.14 2868.99,841.63 2922.42,841.63 2934.53,829.53 L2.2@2934.53,820.47 2939.05,825 2970,825 2985,810 2985,702.5 ; 2985,595 2985,630 ; 2985,630 2985,702.5
5V: C2.1 C6.P C40.2 C41.2 C42.2 C43.2 C44.2 C45.2 C46.2 C47.2 C48.2 C49.2 C50.2 C51.2 C52.2 C53.2 D1.K P2.3 P3.3 P4.3 P5.3 P6.2 P7.2 P8.2 P9.2 P10.2 P11.2 P12.2 P13.2 P14.2 P15.2 R4.2 R27.2 TP2.1 | length 14233.7
  Top Layer w25: v1(500,-2105) 2003.86,-2105 v2(2037.4,-2071.46) 2076.77,-2032.09 v2(2076.77,-1751.97) ; v2(2155,300) 2475,300 2565,390 v2(2565,550.47)
  Bottom Layer w10: C40.2@2037.4,-2184.57 C40.2@2037.87,-2185.04 ; P2.3@2037.4,-2120.08 2042.84,-2114.64 2061.31,-2114.64 2079.02,-2096.93 R27.2@2106.3,-2096.93
  Bottom Layer w15: P6.2@-3242.13,-1788.39 -3204.45,-1788.39 -3200,-1783.94 C44.2@-3170.28,-1783.94 ; P7.2@-3242.13,-1394.69 -3204.45,-1394.69 -3200,-1390.24 C45.2@-3170.28,-1390.24 ; P8.2@-3242.13,-1000.98 -3204.45,-1000.98 -3200,-996.54 C46.2@-3170.28,-996.54 ; P9.2@-3242.13,-607.28 -3204.45,-607.28 -3200,-602.83 C47.2@-3170.28,-602.83 ; P10.2@-3242.13,-213.58 -3204.45,-213.58 -3200,-209.13 C48.2@-3170.28,-209.13 ; P11.2@-3242.13,180.12 -3204.45,180.12 -3200,184.57 C49.2@-3170.28,184.57 ; P12.2@-3242.13,573.82 -3204.45,573.82 -3200,578.27 C50.2@-3170.28,578.27 ; P13.2@-3242.13,967.52 -3204.45,967.52 -3200,971.97 -3170.28,971.97 C51.2@-3169.29,970.98 ; P14.2@-3242.13,1361.22 -3204.45,1361.22 -3200,1365.67 -3170.28,1365.67 C52.2@-3169.29,1364.68 ; P15.2@-3242.13,1754.92 -3204.45,1754.92 -3200,1759.37 C53.2@-3170.28,1759.37 ; C44.2@-3169.29,-1784.92 -3110.98,-1784.92 ; C45.2@-3169.29,-1390.24 -3110.98,-1390.24 ; C46.2@-3169.29,-996.54 -3110.98,-996.54 ; C47.2@-3169.29,-602.83 -3110.98,-602.83 ; C48.2@-3169.29,-209.13 -3110.98,-209.13 ; C49.2@-3169.29,184.57 -3110.98,184.57 ; C50.2@-3169.29,578.27 -3110.98,578.27 ; C51.2@-3169.29,971.97 -3110.98,971.97 ; C52.2@-3169.29,1365.67 -3110.98,1365.67 ; C53.2@-3169.29,1759.37 -3124.37,1759.37 -3110.98,1745.98 -3110.98,1365.67 ; -2062.99,-2173.23 C43.2@-2062.99,-2120.55 ; P4.3@-1151.57,-2120.08 -1151.57,-2173.23 ; -1078.74,-2173.23 C42.2@-1078.74,-2120.55 ; P3.3@-167.32,-2120.08 -167.32,-2173.23 ; C41.2@-94.49,-2120.55 -94.49,-2173.23 ; v1(500,-2105) 44.61,-2105 -23.62,-2173.23 -94.49,-2173.23 ; C40.2@2037.4,-2184.57 P2.3@2037.4,-2120.08 v2(2037.4,-2071.46) ; -3110.98,-1784.92 -2640.27,-1784.92 -2342.52,-2082.68 -2144.61,-2082.68 -2135.83,-2091.46 P5.3@-2135.83,-2120.08 -2135.83,-2155.51 -2118.11,-2173.23 -1151.57,-2173.23 ; -3110.98,-1784.92 -3110.98,-1390.24 ; -3110.98,-1390.24 -3110.98,-996.54 ; -3110.98,-996.54 -3110.98,-602.83 ; -3110.98,-602.83 -3110.98,-209.13 ; -3110.98,-209.13 -3110.98,184.57 ; -3110.98,184.57 -3110.98,578.27 ; -3110.98,578.27 -3110.98,971.97 ; -3110.98,971.97 -3110.98,1365.67 ; -1151.57,-2173.23 -167.32,-2173.23 ; -167.32,-2173.23 -94.49,-2173.23
  Bottom Layer w25: v2(2076.77,-1751.97) 2076.77,-1210.63 2155,-1132.4 v2(2155,300) ; v2(2565,550.47) C6.P@2724.72,550.47 ; TP2.1@2675,630 2675.47,630.47 2722.22,630.47 ; R4.2@2749.72,630.47 2722.22,630.47 ; R4.2@2749.72,630.47 R4.2@2754.72,630.47 2799.72,630.47 C2.1@2804.73,630.47 ; C6.P@2754.72,560.47 C6.P@2748.5,554.25 ; D1.K@2844.72,554.25 C6.P@2748.5,554.25 ; 2722.22,630.47 2724.72,627.97 C6.P@2724.72,550.47 ; C6.P@2724.72,550.47 2728.5,554.25 C6.P@2748.5,554.25
BAT_MSR: C15.2 R11.1 R17.2 TP13.1 U6.6 | length 3959.9
  Top Layer w6: v2(2568.9,-1200.79) 2568.9,-1069.89 2683.79,-955 3145,-955 3175,-925 3175,-200 2890,85 2890,290 2715,465 2715,1380 2760,1425 v2(3000,1425)
  Bottom Layer w6: U6.6@2509.84,-1200.79 v2(2568.9,-1200.79) ; R11.1@2923.7,1387.8 C15.2@2971.97,1387.8 2997.8,1387.8 3000,1390 ; R17.2@2971.97,1338.58 2973.07,1337.49 2992.49,1337.49 3000,1345 3000,1390 ; TP13.1@3100.39,1387.8 3063.19,1425 v2(3000,1425) 3000,1390
BOOT: R22.1 S3.1 U6.3 | length 1867.4
  Top Layer w6: v2(1315,-1893.35) 1358.35,-1850 1821.26,-1850 2293.31,-1377.95 v2(2568.9,-1377.95)
  Bottom Layer w6: S3.1@1265.75,-2185.04 R22.1@1265.75,-1893.35 v2(1315,-1893.35) ; U6.3@2509.84,-1377.95 v2(2568.9,-1377.95)
EXT_A: U6.29 X4.5 | length 3065.6
  Top Layer w6: v2(2255,-980) 2255,-884.76 2411.42,-728.35 v2(3139.76,-728.35)
  Bottom Layer w6: v2(2255,-980) 2253.8,-978.8 2253.8,728.8 2363.98,838.98 X4.5@2460.63,838.98 ; v2(3139.76,-728.35) U6.29@3198.82,-728.35
EXT_B: U6.30 X4.4 | length 2863.7
  Top Layer w6: v2(2280,-955) 2280,-889.29 2381.89,-787.4 v2(3139.76,-787.4)
  Bottom Layer w6: v2(2280,-955) 2266,-941 2266,-751 2266,641 2363.98,738.98 X4.4@2460.63,738.98 ; v2(3139.76,-787.4) U6.30@3198.82,-787.4
EXT_C: U6.31 X4.3 | length 2661.4
  Top Layer w6: v2(2305,-930) 2305,-895 2353.54,-846.46 v2(3139.76,-846.46)
  Bottom Layer w6: v2(2305,-930) 2278,-903 2278,553 2363.98,638.98 X4.3@2460.63,638.98 ; v2(3139.76,-846.46) U6.31@3198.82,-846.46
EXT_D: U6.32 X4.2 | length 2456.9
  Top Layer w6: v2(2330,-905) 2330.51,-905.51 v2(3139.76,-905.51)
  Bottom Layer w6: v2(2330,-905) 2290,-865 2290,465 2363.98,538.98 X4.2@2460.63,538.98 ; v2(3139.76,-905.51) U6.32@3198.82,-905.51